# KiCad board GNSS GPS L86-M33 breakout with easyC_panel.kicad_pcb (continued)
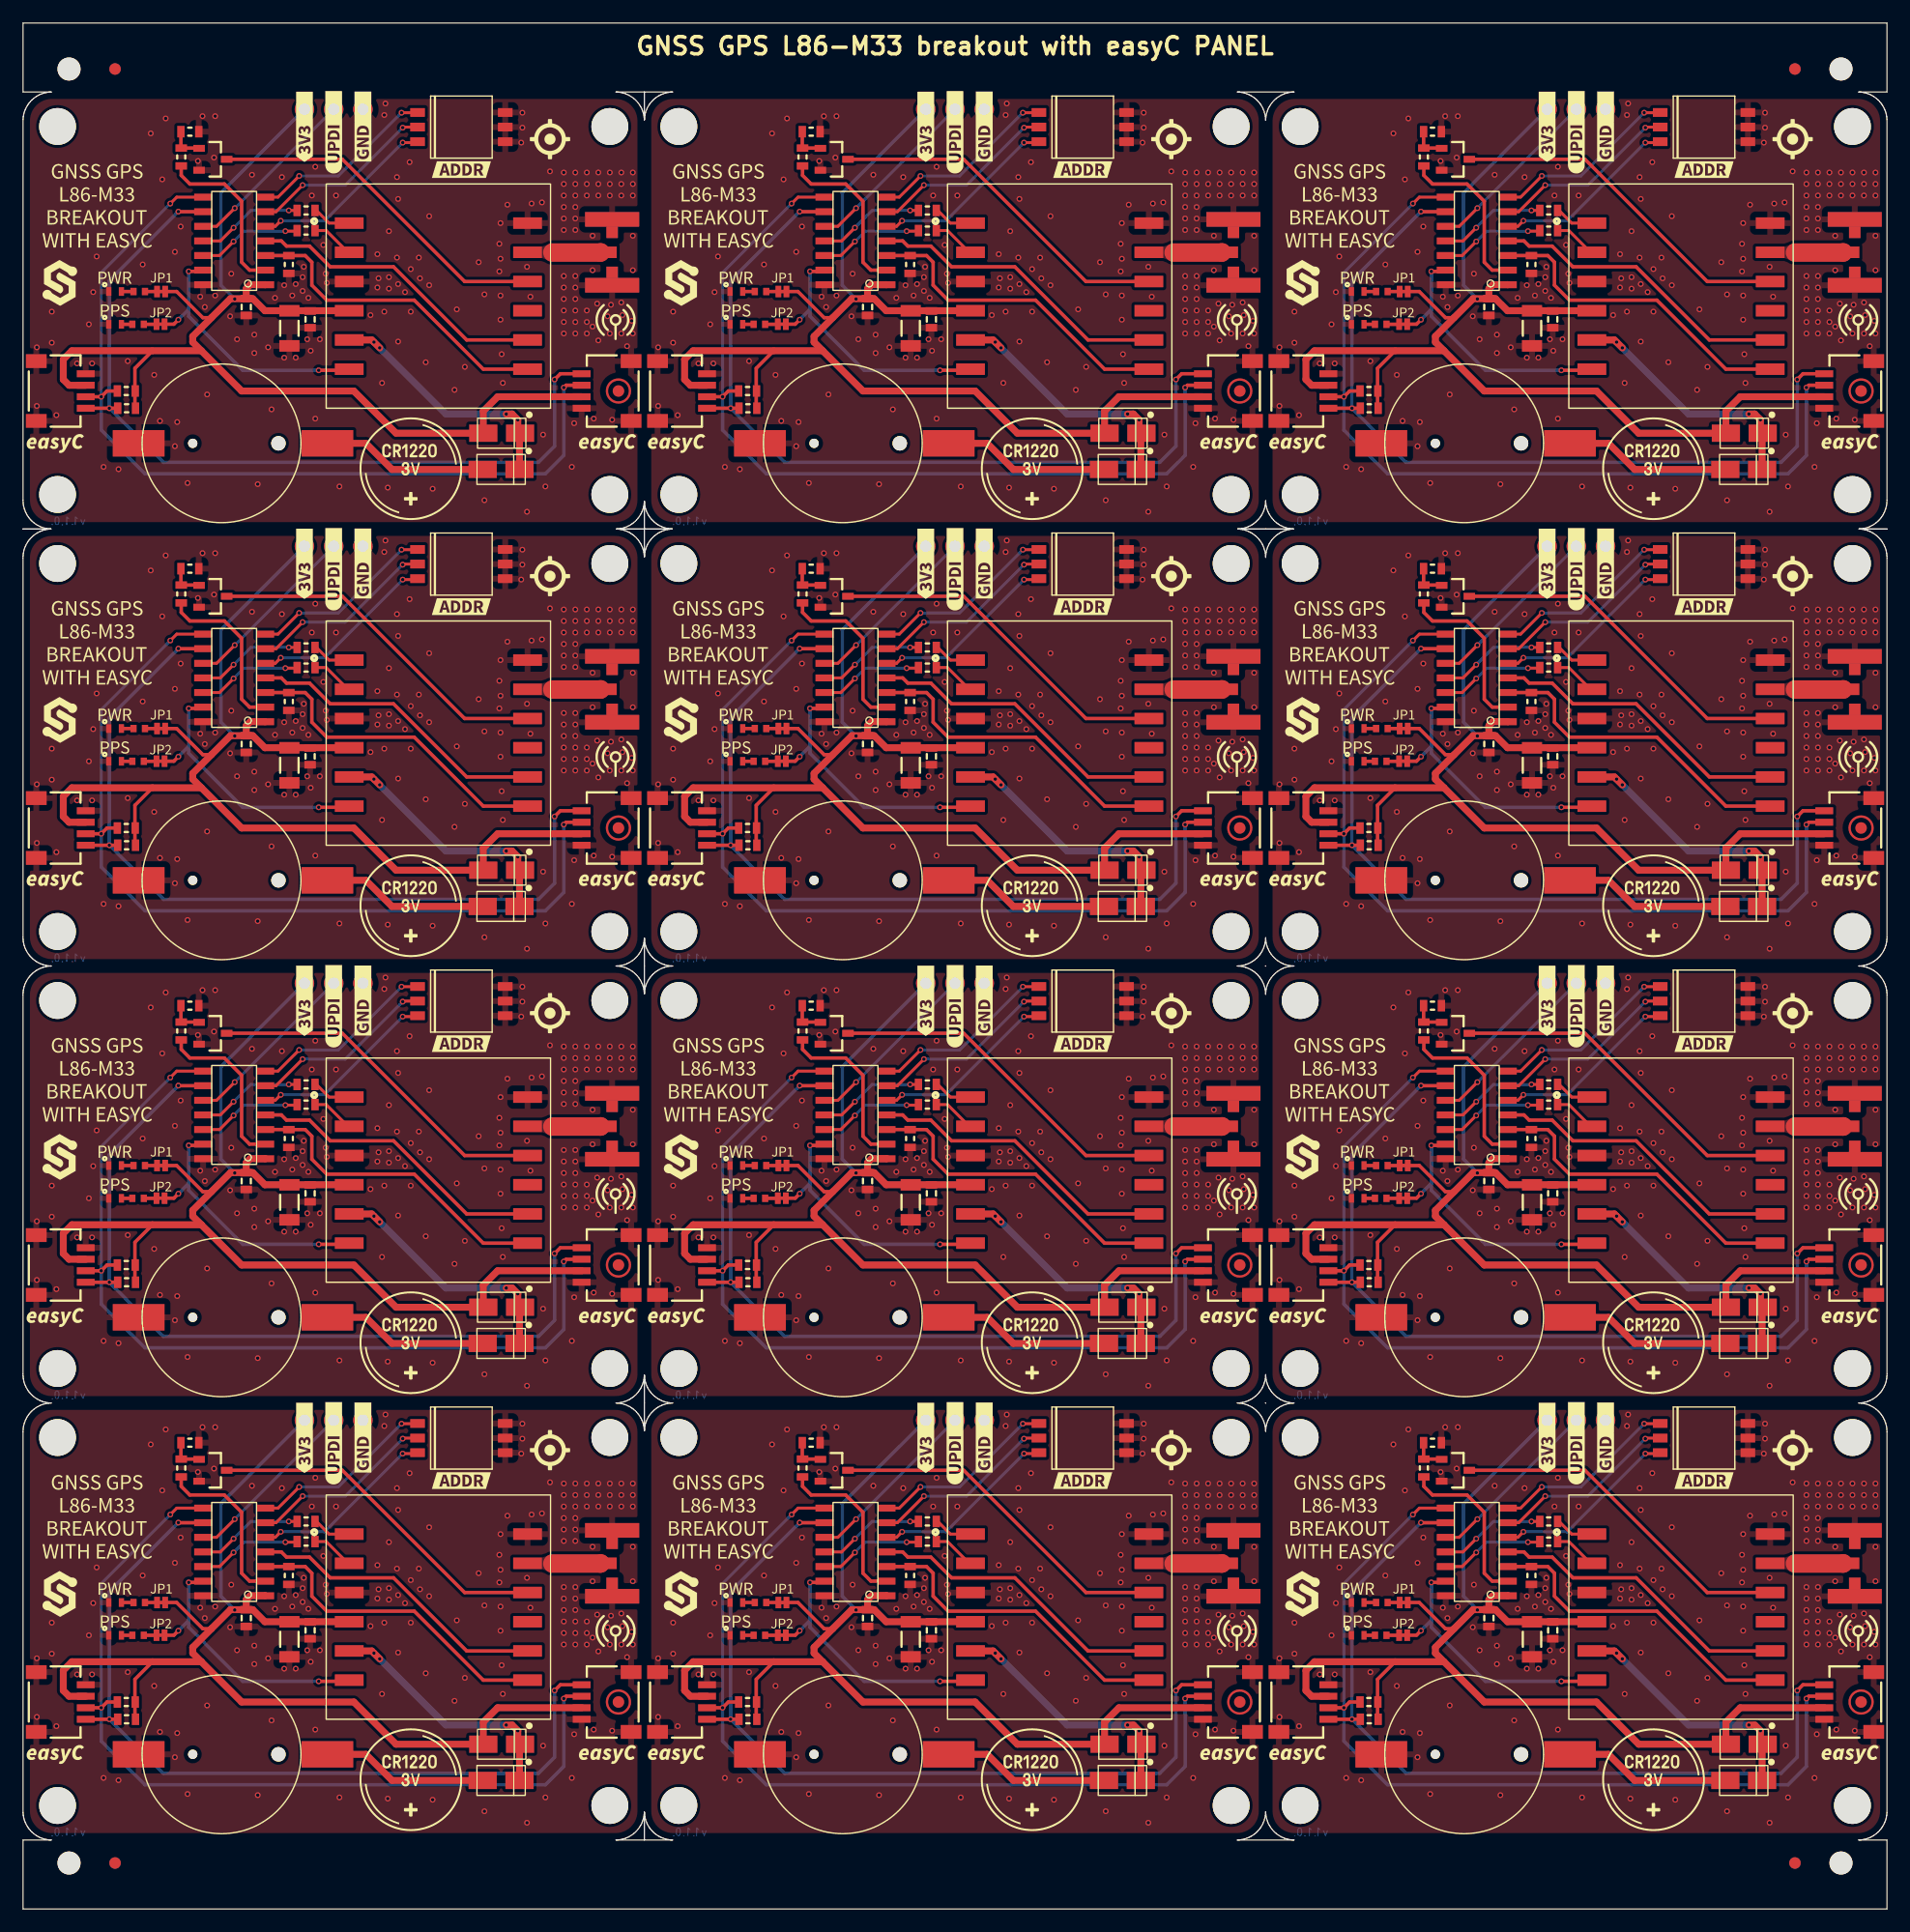
[diagram p0: board, top side]
## Nets (continued)
Board_11-Net-(D3-Pad1): D3#5.1 R9#11.2
Board_11-Net-(D4-Pad1): D4#6.1 R10#2.2
Board_11-Net-(JP2-Pad2): JP2.2 R9#11.1
Board_11-Net-(JP4-Pad2): JP4#8.2 R10#2.1
Board_11-Net-(Q1-Pad1): Q1#2.1 R2#11.2 R6#7.1
Board_11-Net-(Q1-Pad3): Q1#2.3 U2#4.10
Board_11-Net-(R1-Pad1): R1#6.1 U2#4.2
Board_11-Net-(R3-Pad1): R3#4.1 U2#4.1
Board_11-PPS: JP4#8.1 U2#4.6 U5#7.13
Board_11-RESET: R2#11.1 U5#7.2
Board_11-RXD1: R1#6.2 U5#7.12
Board_11-SCL: K5#3.1 K7#7.1 R7#6.1 U5#7.9
Board_11-SDA: K5#3.2 K7#7.2 R4#9.1 U5#7.8
Board_11-TXD1: R3#4.2 U5#7.11
Board_11-unconnected-(U2-Pad9): U2#4.9
Board_11-UPDI: K6#8.2 U5#7.10
Board_11-V_BCKP: D1#5.2 D2#7.2 U2#4.5

Pads without a net: FD1 1; FD1#2 1; FD1#3 1; FD1#4 1; FD1#5 1; FD1#6 1; FD1#7 1; FD1#8 1; FD1#9 1; FD1#10 1; FD1#11 1; FD1#12 1

## Via types
v1: diameter 0.5, hole 0.3, Top to Bottom, 2436 vias

## Routing (per net, layer and track width the routed paths; a pad name or vN(x,y) marks a point on that pad's centre or on a via; arc(x,y) is an arc through that point)
Board_0-3V3: length 104.9
  Top w0.3: JP2#9.1 13.35,140.65 15.63,138.38 16.38,138.38 ; 9.75,130.53 9.73,130.55 9.73,133.98 11.25,135.5
  Top w0.6: 15.5,135.5 4.25,135.5 3.5,134.75 3.5,133 4,132.5 K7#3.3 ; 15.5,135.5 19,132 28.75,132 32.42,128.33 D1#6.1 40,130.25 41.25,131.5 K5#9.3 ; 15.5,135.5 14.75,136.25 14.75,136.75 18.03,140.03 C5#12.1 ; C5#12.1 19.4,140.9 19.75,141.25 21.04,141.25 U5#3.1 ; C5#12.1 19.97,140.03 21.02,138.98 U2#9.4
  Bottom w0.3: K6#2.1 17.2,149.24 17.2,141.2 v1(18.4,140)
Board_0-ADD1: length 16.3
  Top w0.254: v1(32.9,156.2) 34.27,156.2 K8#11.1 ; v1(24,150.7) 22.16,148.86 U5#3.7
  Bottom w0.254: v1(32.9,156.2) 27.4,150.7 v1(24,150.7)
Board_0-ADD2: length 16.3
  Top w0.254: K8#11.3 33.05,154.95 v1(33,154.9) ; U5#3.6 21.99,147.59 v1(24.3,149.9)
  Bottom w0.254: v1(24.3,149.9) 28,149.9 v1(33,154.9)
Board_0-ADD3: length 16.3
  Top w0.254: U5#3.5 21.92,146.32 v1(22.4,146.8) ; K8#11.5 34.21,153.6 v1(33,153.6)
  Bottom w0.254: v1(22.4,146.8) 26.2,146.8 v1(33,153.6)
Board_0-ANT: length 4.2
  Top w1.6: 46,144.04 50.18,144.04 K1#11.1
Board_0-ANT_DET: length 26.4
  Top w0.3: U5#3.4 22.45,145.05 22.9,144.6 24.9,144.6 26.7,142.8 32.2,142.8 38.56,136.44 U2#9.8
Board_0-FORCE_ON: length 28.1
  Top w0.3: U5#3.3 23.1,143.78 R5#3.1 24.53,143.78 25.1,143.2 25.1,141.2 26.4,139.9 34,139.9 40,133.9 U2#9.7
Board_0-GND:
  vias: v1(1.2,135.8) v1(1.2,130.7) v1(2.5,138.9) v1(2.5,136.2) v1(2.9,129.9) v1(4.7,134.4) v1(5.73,137.8) v1(6,134.4) v1(6.1,140.6) v1(6.4,143.7) v1(7,125.4) v1(8.3,125.2) v1(9.1,134.6) v1(10.4,143) v1(11.1,154.4) v1(11.4,133.4) v1(11.9,129.4) v1(12.1,150.4) v1(12.4,155.7) v1(13.2,144.1) v1(13.2,127.2) v1(13.4,129.3) v1(13.7,146.3) v1(14.3,124) v1(15.2,152) v1(15.4,140.2) v1(15.6,155.9) v1(15.8,139.3) v1(16,131.7) v1(16.6,152.3) v1(16.7,155.9) v1(16.7,140.3) v1(18,138.5) v1(18.1,142.2) v1(18.6,136.5) v1(19.9,150.8) v1(20.1,136.9) v1(20.1,135.3) v1(20.4,123.9) v1(21.3,135.8) v1(21.6,130.4) v1(21.9,140.1) v1(22.5,150.6) v1(22.7,141.2) v1(22.7,134.9) v1(23.4,140.3) v1(23.7,141.3) v1(23.7,134.9) v1(24.3,141.9) v1(24.3,140.7) v1(24.4,142.8) v1(24.7,136.5) v1(24.8,140.1) v1(25,135.5) v1(25.1,149) v1(25.4,151.5) v1(25.4,129.6) v1(25.8,136.5) v1(26.1,144.7) v1(26.3,142.2) v1(26.4,141.4) v1(27.2,149) v1(27.5,123.7) v1(30.2,138.6) v1(30.8,143.9) v1(30.8,141) v1(30.9,141.8) v1(31.2,132.7) v1(31.4,156) v1(31.4,138.9) v1(31.5,157) v1(31.7,123.6) v1(31.8,145.9) v1(31.8,141.9) v1(31.8,140.9) v1(32.5,150.6) v1(32.5,143.6) v1(32.6,148.7) v1(32.6,141.3) v1(32.6,136.3) v1(33.2,140.6) v1(33.6,151.9) v1(33.7,142.6) v1(33.7,138.9) v1(34.4,143.6) v1(34.5,141.8) v1(35,134.5) v1(35.3,147.2) v1(35.3,141.2) v1(35.6,123.5) v1(37.5,132.1) v1(37.7,139.1) v1(38.4,134.1) v1(39.6,143.2) v1(40.1,140.4) v1(40.1,122.5) v1(41.4,144.8) v1(41.4,142.4) v1(41.5,146.6) v1(41.5,143.5) v1(41.5,140.3) v1(41.5,138.2) v1(41.6,135.2) v1(41.7,132.7) v1(42.1,148.2) v1(43.3,153.6) v1(43.4,156.2) v1(43.4,154.9) v1(43.8,142.8) v1(43.8,121.5) v1(44.1,140.2) v1(44.2,148.3) v1(45.1,148.4) v1(45.2,128.2) v1(45.4,123.7) v1(45.8,151.1) v1(47,151) v1(47,150) v1(47,149) v1(47,148) v1(47,147) v1(47,146) v1(47,142) v1(47,141) v1(47,140) v1(47,139) v1(47,138) v1(47,137) v1(47.7,125.4) v1(47.9,129.2) v1(48,151) v1(48,150) v1(48,149) v1(48,148) v1(48,147) v1(48,146) v1(48,142) v1(48,141) v1(48,140) v1(48,139) v1(48,138) v1(48,137) v1(49,151) v1(49,150) v1(49,149) v1(49,139) v1(49,138) v1(49,137) v1(49.5,145.5) v1(49.5,142.5) v1(49.5,137.6) v1(49.6,129.6) v1(49.9,139.6) v1(50,151) v1(50,150) v1(50,149) v1(50,136.4) v1(50.8,138.5) v1(51,151) v1(51,150) v1(51,149) v1(51,137) v1(51.1,139.5) v1(51.2,129.5) v1(52,151) v1(52,150) v1(52,149) v1(52,139.7) v1(52,137) v1(52.1,138.6) v1(52.5,135.9) v1(52.9,138.1) v1(53,151) v1(53,150) v1(53,149) v1(53,145.5) v1(53,142.5) v1(53,137)
Board_0-Net-(D2-Pad1): length 14.4
  Top w0.6: K3#6.1+ 29.8,127.45 32.07,125.18 D2#4.1
Board_0-Net-(D3-Pad1): length 1.1
  Top w0.3: D3#4.1 R9#7.2
Board_0-Net-(D4-Pad1): length 0.9
  Top w0.3: D4.1 R10#9.2
Board_0-Net-(JP2-Pad2): length 1
  Top w0.3: R9#7.1 JP2#9.2
Board_0-Net-(JP4-Pad2): length 1.1
  Top w0.3: JP4#3.2 11.59,137.8 R10#9.1
Board_0-Net-(Q1-Pad1): length 3
  Top w0.3: R6#9.1 13.73,153.15 R2#5.2 15.28,153.13 Q1#12.1
Board_0-Net-(Q1-Pad3): length 30.6
  Top w0.3: U2#9.10 38.38,141.52 27.75,152.15 Q1#12.3
Board_0-Net-(R1-Pad1): length 3.8
  Top w0.254: R1#2.1 26.35,145.95 28.24,144.06 U2#9.2
Board_0-Net-(R3-Pad1): length 3.4
  Top w0.254: U2#9.1 26.6,146.6 25.5,147.7 R3.1
Board_0-PPS: length 23.8
  Top w0.3: U5#3.13 15.54,142.4 v1(14.4,142.4) ; JP4#3.1 13.11,137.81 v1(13.5,138.2) ; v1(25.7,133.8) 28.25,133.8 U2#9.6
  Bottom w0.3: 14.4,139.1 v1(14.4,142.4) ; 14.4,139.1 v1(13.5,138.2) ; 14.4,139.1 14.4,138.5 19.1,133.8 v1(25.7,133.8)
Board_0-RESET: length 14.6
  Top w0.3: R2#5.1 13.75,150.75 14.5,150 17.5,150 19,148.5 19,143.2 19.69,142.51 U5#3.2
Board_0-RXD1: length 9.1
  Top w0.254: v1(22.8,145.9) 23.78,145.9 R1#2.2 ; U5#3.12 17.08,143.78 v1(18.3,145)
  Bottom w0.254: v1(22.8,145.9) 19.2,145.9 v1(18.3,145)
Board_0-SCL: length 74.1
  Top w0.3: v1(13.5,147.6) 13.51,147.59 U5#3.9 ; K5#9.1 46.7,133.5 v1(46.2,133) ; R7#11.1 v1(7.5,130.5) K7#3.1
  Bottom w0.3: v1(13.5,147.6) 7.5,141.6 v1(7.5,130.5) 12.2,125.8 44.8,125.8 46.2,127.2 v1(46.2,133)
Board_0-SDA: length 78.2
  Top w0.254: U5#3.8 13.36,148.86 v1(12.8,148.3)
  Top w0.3: v1(47,132.3) 47.2,132.5 K5#9.2 ; K7#3.2 v1(6.8,131.5) 7.3,132 R4#2.1
  Bottom w0.254: v1(12.8,148.3) 6.8,142.3 v1(6.8,131.5)
  Bottom w0.3: v1(47,132.3) 47,126.4 45.4,124.8 10.6,124.8 6.8,128.6 v1(6.8,131.5)
Board_0-TXD1: length 9.3
  Top w0.254: R3.2 v1(23.1,147.7) ; v1(18.3,146.2) 17.15,145.05 U5#3.11
  Bottom w0.254: v1(23.1,147.7) 19.8,147.7 v1(18.3,146.2)
Board_0-UPDI: length 15.6
  Top w0.254: U5#3.10 16.82,146.32 v1(18.4,147.9)
  Bottom w0.254: v1(18.4,147.9) K6#2.2
Board_0-V_BCKP: length 23.9
  Top w0.6: v1(42,130) 42.5,130 v1(43,129.5) 43,128.53 D1#6.2 43.15,128.28 D2#4.2 ; U2#9.5 30.31,136.44 v1(30.5,136.25) v1(31,135.75)
  Bottom w0.6: v1(43,129.5) 42.5,130 v1(42,130) 36.75,130 v1(31,135.75) v1(30.5,136.25)
Board_1-3V3: length 104.9
  Top w0.3: 65.25,135.5 63.73,133.98 63.73,130.55 63.75,130.53 ; JP2#7.1 67.35,140.65 69.63,138.38 70.38,138.38
  Top w0.6: C5#7.1 73.97,140.03 75.02,138.98 U2#10.4 ; C5#7.1 73.4,140.9 73.75,141.25 75.04,141.25 U5#10.1 ; C5#7.1 72.03,140.03 68.75,136.75 68.75,136.25 69.5,135.5 ; 69.5,135.5 58.25,135.5 57.5,134.75 57.5,133 58,132.5 K7#8.3 ; 69.5,135.5 73,132 82.75,132 86.42,128.33 D1#10.1 94,130.25 95.25,131.5 K5#12.3
  Bottom w0.3: v1(72.4,140) 71.2,141.2 71.2,149.24 K6#9.1
Board_1-ADD1: length 16.3
  Top w0.254: v1(86.9,156.2) 88.27,156.2 K8#4.1 ; v1(78,150.7) 76.16,148.86 U5#10.7
  Bottom w0.254: v1(86.9,156.2) 81.4,150.7 v1(78,150.7)
Board_1-ADD2: length 16.3
  Top w0.254: K8#4.3 87.05,154.95 v1(87,154.9) ; v1(78.3,149.9) 75.99,147.59 U5#10.6
  Bottom w0.254: v1(87,154.9) 82,149.9 v1(78.3,149.9)
Board_1-ADD3: length 16.3
  Top w0.254: v1(87,153.6) 88.21,153.6 K8#4.5 ; U5#10.5 75.92,146.32 v1(76.4,146.8)
  Bottom w0.254: v1(87,153.6) 80.2,146.8 v1(76.4,146.8)
Board_1-ANT: length 4.2
  Top w1.6: K1#8.1 104.18,144.04 100,144.04
Board_1-ANT_DET: length 26.4
  Top w0.3: U5#10.4 76.45,145.05 76.9,144.6 78.9,144.6 80.7,142.8 86.2,142.8 92.56,136.44 U2#10.8
Board_1-FORCE_ON: length 28.1
  Top w0.3: U5#10.3 77.1,143.78 R5#5.1 78.53,143.78 79.1,143.2 79.1,141.2 80.4,139.9 88,139.9 94,133.9 U2#10.7
Board_1-GND:
  vias: v1(55.2,135.8) v1(55.2,130.7) v1(56.5,138.9) v1(56.5,136.2) v1(56.9,129.9) v1(58.7,134.4) v1(59.73,137.8) v1(60,134.4) v1(60.1,140.6) v1(60.4,143.7) v1(61,125.4) v1(62.3,125.2) v1(63.1,134.6) v1(64.4,143) v1(65.1,154.4) v1(65.4,133.4) v1(65.9,129.4) v1(66.1,150.4) v1(66.4,155.7) v1(67.2,144.1) v1(67.2,127.2) v1(67.4,129.3) v1(67.7,146.3) v1(68.3,124) v1(69.2,152) v1(69.4,140.2) v1(69.6,155.9) v1(69.8,139.3) v1(70,131.7) v1(70.6,152.3) v1(70.7,155.9) v1(70.7,140.3) v1(72,138.5) v1(72.1,142.2) v1(72.6,136.5) v1(73.9,150.8) v1(74.1,136.9) v1(74.1,135.3) v1(74.4,123.9) v1(75.3,135.8) v1(75.6,130.4) v1(75.9,140.1) v1(76.5,150.6) v1(76.7,141.2) v1(76.7,134.9) v1(77.4,140.3) v1(77.7,141.3) v1(77.7,134.9) v1(78.3,141.9) v1(78.3,140.7) v1(78.4,142.8) v1(78.7,136.5) v1(78.8,140.1) v1(79,135.5) v1(79.1,149) v1(79.4,151.5) v1(79.4,129.6) v1(79.8,136.5) v1(80.1,144.7) v1(80.3,142.2) v1(80.4,141.4) v1(81.2,149) v1(81.5,123.7) v1(84.2,138.6) v1(84.8,143.9) v1(84.8,141) v1(84.9,141.8) v1(85.2,132.7) v1(85.4,156) v1(85.4,138.9) v1(85.5,157) v1(85.7,123.6) v1(85.8,145.9) v1(85.8,141.9) v1(85.8,140.9) v1(86.5,150.6) v1(86.5,143.6) v1(86.6,148.7) v1(86.6,141.3) v1(86.6,136.3) v1(87.2,140.6) v1(87.6,151.9) v1(87.7,142.6) v1(87.7,138.9) v1(88.4,143.6) v1(88.5,141.8) v1(89,134.5) v1(89.3,147.2) v1(89.3,141.2) v1(89.6,123.5) v1(91.5,132.1) v1(91.7,139.1) v1(92.4,134.1) v1(93.6,143.2) v1(94.1,140.4) v1(94.1,122.5) v1(95.4,144.8) v1(95.4,142.4) v1(95.5,146.6) v1(95.5,143.5) v1(95.5,140.3) v1(95.5,138.2) v1(95.6,135.2) v1(95.7,132.7) v1(96.1,148.2) v1(97.3,153.6) v1(97.4,156.2) v1(97.4,154.9) v1(97.8,142.8) v1(97.8,121.5) v1(98.1,140.2) v1(98.2,148.3) v1(99.1,148.4) v1(99.2,128.2) v1(99.4,123.7) v1(99.8,151.1) v1(101,151) v1(101,150) v1(101,149) v1(101,148) v1(101,147) v1(101,146) v1(101,142) v1(101,141) v1(101,140) v1(101,139) v1(101,138) v1(101,137) v1(101.7,125.4) v1(101.9,129.2) v1(102,151) v1(102,150) v1(102,149) v1(102,148) v1(102,147) v1(102,146) v1(102,142) v1(102,141) v1(102,140) v1(102,139) v1(102,138) v1(102,137) v1(103,151) v1(103,150) v1(103,149) v1(103,139) v1(103,138) v1(103,137) v1(103.5,145.5) v1(103.5,142.5) v1(103.5,137.6) v1(103.6,129.6) v1(103.9,139.6) v1(104,151) v1(104,150) v1(104,149) v1(104,136.4) v1(104.8,138.5) v1(105,151) v1(105,150) v1(105,149) v1(105,137) v1(105.1,139.5) v1(105.2,129.5) v1(106,151) v1(106,150) v1(106,149) v1(106,139.7) v1(106,137) v1(106.1,138.6) v1(106.5,135.9) v1(106.9,138.1) v1(107,151) v1(107,150) v1(107,149) v1(107,145.5) v1(107,142.5) v1(107,137)
Board_1-Net-(D2-Pad1): length 14.4
  Top w0.6: K3#12.1+ 83.8,127.45 86.07,125.18 D2#10.1
Board_1-Net-(D3-Pad1): length 1
  Top w0.3: D3#8.1 R9#9.2
Board_1-Net-(D4-Pad1): length 1
  Top w0.3: D4#4.1 R10#4.2
Board_1-Net-(JP2-Pad2): length 1
  Top w0.3: R9#9.1 JP2#7.2
Board_1-Net-(JP4-Pad2): length 1.1
  Top w0.3: R10#4.1 65.59,137.8 JP4#11.2
Board_1-Net-(Q1-Pad1): length 3
  Top w0.3: R6#2.1 67.73,153.15 R2#2.2 69.28,153.13 Q1.1
Board_1-Net-(Q1-Pad3): length 30.6
  Top w0.3: Q1.3 81.75,152.15 92.38,141.52 U2#10.10
Board_1-Net-(R1-Pad1): length 3.8
  Top w0.254: R1#10.1 80.35,145.95 82.24,144.06 U2#10.2
Board_1-Net-(R3-Pad1): length 3.4
  Top w0.254: U2#10.1 80.6,146.6 79.5,147.7 R3#10.1
Board_1-PPS: length 23.8
  Top w0.3: v1(67.5,138.2) 67.11,137.81 JP4#11.1 ; v1(79.7,133.8) 82.25,133.8 U2#10.6 ; v1(68.4,142.4) 69.54,142.4 U5#10.13
  Bottom w0.3: 68.4,139.1 68.4,138.5 73.1,133.8 v1(79.7,133.8) ; 68.4,139.1 v1(68.4,142.4) ; 68.4,139.1 v1(67.5,138.2)
Board_1-RESET: length 14.6
  Top w0.3: R2#2.1 67.75,150.75 68.5,150 71.5,150 73,148.5 73,143.2 73.69,142.51 U5#10.2
Board_1-RXD1: length 9.1
  Top w0.254: v1(72.3,145) 71.08,143.78 U5#10.12 ; v1(76.8,145.9) 77.78,145.9 R1#10.2
  Bottom w0.254: v1(72.3,145) 73.2,145.9 v1(76.8,145.9)
Board_1-SCL: length 74.1
  Top w0.3: K5#12.1 100.7,133.5 v1(100.2,133) ; R7#8.1 v1(61.5,130.5) K7#8.1 ; U5#10.9 67.51,147.59 v1(67.5,147.6)
  Bottom w0.3: v1(100.2,133) 100.2,127.2 98.8,125.8 66.2,125.8 v1(61.5,130.5) 61.5,141.6 v1(67.5,147.6)
Board_1-SDA: length 78.2
  Top w0.254: U5#10.8 67.36,148.86 v1(66.8,148.3)
  Top w0.3: v1(101,132.3) 101.2,132.5 K5#12.2 ; K7#8.2 v1(60.8,131.5) 61.3,132 R4#3.1
  Bottom w0.254: v1(60.8,131.5) 60.8,142.3 v1(66.8,148.3)
  Bottom w0.3: v1(60.8,131.5) 60.8,128.6 64.6,124.8 99.4,124.8 101,126.4 v1(101,132.3)
Board_1-TXD1: length 9.3
  Top w0.254: R3#10.2 v1(77.1,147.7) ; U5#10.11 71.15,145.05 v1(72.3,146.2)
  Bottom w0.254: v1(72.3,146.2) 73.8,147.7 v1(77.1,147.7)
Board_1-UPDI: length 15.6
  Top w0.254: v1(72.4,147.9) 70.82,146.32 U5#10.10
  Bottom w0.254: v1(72.4,147.9) K6#9.2
Board_1-V_BCKP: length 23.9
  Top w0.6: v1(85,135.75) v1(84.5,136.25) 84.31,136.44 U2#10.5 ; v1(96,130) 96.5,130 v1(97,129.5) 97,128.53 D1#10.2 97.15,128.28 D2#10.2
  Bottom w0.6: v1(97,129.5) 96.5,130 v1(96,130) 90.75,130 v1(85,135.75) v1(84.5,136.25)
Board_2-3V3: length 104.9
  Top w0.3: 124.38,138.38 123.63,138.38 121.35,140.65 JP2#8.1 ; 117.75,130.53 117.73,130.55 117.73,133.98 119.25,135.5
  Top w0.6: 123.5,135.5 122.75,136.25 122.75,136.75 126.03,140.03 C5#4.1 ; 123.5,135.5 127,132 136.75,132 140.42,128.33 D1.1 148,130.25 149.25,131.5 K5.3 ; 123.5,135.5 112.25,135.5 111.5,134.75 111.5,133 112,132.5 K7.3 ; U2#3.4 129.02,138.98 127.97,140.03 C5#4.1 ; C5#4.1 127.4,140.9 127.75,141.25 129.04,141.25 U5#6.1
  Bottom w0.3: v1(126.4,140) 125.2,141.2 125.2,149.24 K6#4.1
Board_2-ADD1: length 16.3
  Top w0.254: U5#6.7 130.16,148.86 v1(132,150.7) ; K8#3.1 142.27,156.2 v1(140.9,156.2)
  Bottom w0.254: v1(132,150.7) 135.4,150.7 v1(140.9,156.2)
Board_2-ADD2: length 16.3
  Top w0.254: v1(132.3,149.9) 129.99,147.59 U5#6.6 ; v1(141,154.9) 141.05,154.95 K8#3.3
  Bottom w0.254: v1(141,154.9) 136,149.9 v1(132.3,149.9)
Board_2-ADD3: length 16.3
  Top w0.254: v1(130.4,146.8) 129.92,146.32 U5#6.5 ; K8#3.5 142.21,153.6 v1(141,153.6)
  Bottom w0.254: v1(141,153.6) 134.2,146.8 v1(130.4,146.8)
Board_2-ANT: length 4.2
  Top w1.6: K1#12.1 158.18,144.04 154,144.04
Board_2-ANT_DET: length 26.4
  Top w0.3: U2#3.8 146.56,136.44 140.2,142.8 134.7,142.8 132.9,144.6 130.9,144.6 130.45,145.05 U5#6.4
Board_2-FORCE_ON: length 28.1
  Top w0.3: U2#3.7 148,133.9 142,139.9 134.4,139.9 133.1,141.2 133.1,143.2 132.53,143.78 R5#6.1 131.1,143.78 U5#6.3
Board_2-GND:
  vias: v1(109.2,135.8) v1(109.2,130.7) v1(110.5,138.9) v1(110.5,136.2) v1(110.9,129.9) v1(112.7,134.4) v1(113.73,137.8) v1(114,134.4) v1(114.1,140.6) v1(114.4,143.7) v1(115,125.4) v1(116.3,125.2) v1(117.1,134.6) v1(118.4,143) v1(119.1,154.4) v1(119.4,133.4) v1(119.9,129.4) v1(120.1,150.4) v1(120.4,155.7) v1(121.2,144.1) v1(121.2,127.2) v1(121.4,129.3) v1(121.7,146.3) v1(122.3,124) v1(123.2,152) v1(123.4,140.2) v1(123.6,155.9) v1(123.8,139.3) v1(124,131.7) v1(124.6,152.3) v1(124.7,155.9) v1(124.7,140.3) v1(126,138.5) v1(126.1,142.2) v1(126.6,136.5) v1(127.9,150.8) v1(128.1,136.9) v1(128.1,135.3) v1(128.4,123.9) v1(129.3,135.8) v1(129.6,130.4) v1(129.9,140.1) v1(130.5,150.6) v1(130.7,141.2) v1(130.7,134.9) v1(131.4,140.3) v1(131.7,141.3) v1(131.7,134.9) v1(132.3,141.9) v1(132.3,140.7) v1(132.4,142.8) v1(132.7,136.5) v1(132.8,140.1) v1(133,135.5) v1(133.1,149) v1(133.4,151.5) v1(133.4,129.6) v1(133.8,136.5) v1(134.1,144.7) v1(134.3,142.2) v1(134.4,141.4) v1(135.2,149) v1(135.5,123.7) v1(138.2,138.6) v1(138.8,143.9) v1(138.8,141) v1(138.9,141.8) v1(139.2,132.7) v1(139.4,156) v1(139.4,138.9) v1(139.5,157) v1(139.7,123.6) v1(139.8,145.9) v1(139.8,141.9) v1(139.8,140.9) v1(140.5,150.6) v1(140.5,143.6) v1(140.6,148.7) v1(140.6,141.3) v1(140.6,136.3) v1(141.2,140.6) v1(141.6,151.9) v1(141.7,142.6) v1(141.7,138.9) v1(142.4,143.6) v1(142.5,141.8) v1(143,134.5) v1(143.3,147.2) v1(143.3,141.2) v1(143.6,123.5) v1(145.5,132.1) v1(145.7,139.1) v1(146.4,134.1) v1(147.6,143.2) v1(148.1,140.4) v1(148.1,122.5) v1(149.4,144.8) v1(149.4,142.4) v1(149.5,146.6) v1(149.5,143.5) v1(149.5,140.3) v1(149.5,138.2) v1(149.6,135.2) v1(149.7,132.7) v1(150.1,148.2) v1(151.3,153.6) v1(151.4,156.2) v1(151.4,154.9) v1(151.8,142.8) v1(151.8,121.5) v1(152.1,140.2) v1(152.2,148.3) v1(153.1,148.4) v1(153.2,128.2) v1(153.4,123.7) v1(153.8,151.1) v1(155,151) v1(155,150) v1(155,149) v1(155,148) v1(155,147) v1(155,146) v1(155,142) v1(155,141) v1(155,140) v1(155,139) v1(155,138) v1(155,137) v1(155.7,125.4) v1(155.9,129.2) v1(156,151) v1(156,150) v1(156,149) v1(156,148) v1(156,147) v1(156,146) v1(156,142) v1(156,141) v1(156,140) v1(156,139) v1(156,138) v1(156,137) v1(157,151) v1(157,150) v1(157,149) v1(157,139) v1(157,138) v1(157,137) v1(157.5,145.5) v1(157.5,142.5) v1(157.5,137.6) v1(157.6,129.6) v1(157.9,139.6) v1(158,151) v1(158,150) v1(158,149) v1(158,136.4) v1(158.8,138.5) v1(159,151) v1(159,150) v1(159,149) v1(159,137) v1(159.1,139.5) v1(159.2,129.5) v1(160,151) v1(160,150) v1(160,149) v1(160,139.7) v1(160,137) v1(160.1,138.6) v1(160.5,135.9) v1(160.9,138.1) v1(161,151) v1(161,150) v1(161,149) v1(161,145.5) v1(161,142.5) v1(161,137)
Board_2-Net-(D2-Pad1): length 14.4
  Top w0.6: D2#9.1 140.07,125.18 137.8,127.45 K3#4.1+
Board_2-Net-(D3-Pad1): length 1
  Top w0.3: D3#12.1 R9#8.2
Board_2-Net-(D4-Pad1): length 0.9
  Top w0.3: D4#12.1 R10.2
Board_2-Net-(JP2-Pad2): length 1.1
  Top w0.3: R9#8.1 JP2#8.2
Board_2-Net-(JP4-Pad2): length 1.1
  Top w0.3: R10.1 119.59,137.8 JP4.2
Board_2-Net-(Q1-Pad1): length 3
  Top w0.3: Q1#10.1 123.28,153.13 R2#7.2 121.73,153.15 R6#11.1
Board_2-Net-(Q1-Pad3): length 30.6
  Top w0.3: Q1#10.3 135.75,152.15 146.38,141.52 U2#3.10
Board_2-Net-(R1-Pad1): length 3.8
  Top w0.254: R1#8.1 134.35,145.95 136.24,144.06 U2#3.2
Board_2-Net-(R3-Pad1): length 3.4
  Top w0.254: U2#3.1 134.6,146.6 133.5,147.7 R3#2.1
Board_2-PPS: length 23.8
  Top w0.3: U2#3.6 136.25,133.8 v1(133.7,133.8) ; v1(121.5,138.2) 121.11,137.81 JP4.1 ; v1(122.4,142.4) 123.54,142.4 U5#6.13
  Bottom w0.3: 122.4,139.1 122.4,138.5 127.1,133.8 v1(133.7,133.8) ; 122.4,139.1 v1(121.5,138.2) ; 122.4,139.1 v1(122.4,142.4)
Board_2-RESET: length 14.6
  Top w0.3: R2#7.1 121.75,150.75 122.5,150 125.5,150 127,148.5 127,143.2 127.69,142.51 U5#6.2
Board_2-RXD1: length 9.1
  Top w0.254: v1(126.3,145) 125.08,143.78 U5#6.12 ; R1#8.2 131.78,145.9 v1(130.8,145.9)
  Bottom w0.254: v1(126.3,145) 127.2,145.9 v1(130.8,145.9)
Board_2-SCL: length 74.1
  Top w0.3: K7.1 v1(115.5,130.5) R7#3.1 ; v1(154.2,133) 154.7,133.5 K5.1 ; v1(121.5,147.6) 121.51,147.59 U5#6.9
  Bottom w0.3: v1(121.5,147.6) 115.5,141.6 v1(115.5,130.5) 120.2,125.8 152.8,125.8 154.2,127.2 v1(154.2,133)
Board_2-SDA: length 78.2
  Top w0.254: U5#6.8 121.36,148.86 v1(120.8,148.3)
  Top w0.3: K5.2 155.2,132.5 v1(155,132.3) ; R4#4.1 115.3,132 v1(114.8,131.5) K7.2
  Bottom w0.254: v1(120.8,148.3) 114.8,142.3 v1(114.8,131.5)
  Bottom w0.3: v1(114.8,131.5) 114.8,128.6 118.6,124.8 153.4,124.8 155,126.4 v1(155,132.3)
Board_2-TXD1: length 9.3
  Top w0.254: U5#6.11 125.15,145.05 v1(126.3,146.2) ; R3#2.2 v1(131.1,147.7)
  Bottom w0.254: v1(126.3,146.2) 127.8,147.7 v1(131.1,147.7)
Board_2-UPDI: length 15.6
  Top w0.254: U5#6.10 124.82,146.32 v1(126.4,147.9)
  Bottom w0.254: v1(126.4,147.9) K6#4.2
Board_2-V_BCKP: length 23.9
  Top w0.6: v1(150,130) 150.5,130 v1(151,129.5) 151,128.53 D1.2 151.15,128.28 D2#9.2 ; v1(139,135.75) v1(138.5,136.25) 138.31,136.44 U2#3.5
  Bottom w0.6: v1(151,129.5) 150.5,130 v1(150,130) 144.75,130 v1(139,135.75) v1(138.5,136.25)
Board_3-3V3: length 104.9
  Top w0.3: 16.38,100.38 15.63,100.38 13.35,102.65 JP2#11.1 ; 9.75,92.53 9.73,92.55 9.73,95.98 11.25,97.5
  Top w0.6: U2#2.4 21.02,100.98 19.97,102.03 C5#10.1 ; C5#10.1 19.4,102.9 19.75,103.25 21.04,103.25 U5#4.1 ; C5#10.1 18.03,102.03 14.75,98.75 14.75,98.25 15.5,97.5 ; 15.5,97.5 4.25,97.5 3.5,96.75 3.5,95 4,94.5 K7#9.3 ; 15.5,97.5 19,94 28.75,94 32.42,90.33 D1#4.1 40,92.25 41.25,93.5 K5#2.3
  Bottom w0.3: v1(18.4,102) 17.2,103.2 17.2,111.24 K6#3.1
Board_3-ADD1: length 16.3
  Top w0.254: K8#7.1 34.27,118.2 v1(32.9,118.2) ; U5#4.7 22.16,110.86 v1(24,112.7)
  Bottom w0.254: v1(32.9,118.2) 27.4,112.7 v1(24,112.7)
Board_3-ADD2: length 16.3
  Top w0.254: v1(33,116.9) 33.05,116.95 K8#7.3 ; U5#4.6 21.99,109.59 v1(24.3,111.9)
  Bottom w0.254: v1(24.3,111.9) 28,111.9 v1(33,116.9)
Board_3-ADD3: length 16.3
  Top w0.254: K8#7.5 34.21,115.6 v1(33,115.6) ; U5#4.5 21.92,108.32 v1(22.4,108.8)
  Bottom w0.254: v1(33,115.6) 26.2,108.8 v1(22.4,108.8)
Board_3-ANT: length 4.2
  Top w1.6: 46,106.04 50.18,106.04 K1#5.1
Board_3-ANT_DET: length 26.4
  Top w0.3: U2#2.8 38.56,98.44 32.2,104.8 26.7,104.8 24.9,106.6 22.9,106.6 22.45,107.05 U5#4.4
Board_3-FORCE_ON: length 28.1
  Top w0.3: U5#4.3 23.1,105.78 R5#12.1 24.53,105.78 25.1,105.2 25.1,103.2 26.4,101.9 34,101.9 40,95.9 U2#2.7
Board_3-GND:
  vias: v1(1.2,97.8) v1(1.2,92.7) v1(2.5,100.9) v1(2.5,98.2) v1(2.9,91.9) v1(4.7,96.4) v1(5.73,99.8) v1(6,96.4) v1(6.1,102.6) v1(6.4,105.7) v1(7,87.4) v1(8.3,87.2) v1(9.1,96.6) v1(10.4,105) v1(11.1,116.4) v1(11.4,95.4) v1(11.9,91.4) v1(12.1,112.4) v1(12.4,117.7) v1(13.2,106.1) v1(13.2,89.2) v1(13.4,91.3) v1(13.7,108.3) v1(14.3,86) v1(15.2,114) v1(15.4,102.2) v1(15.6,117.9) v1(15.8,101.3) v1(16,93.7) v1(16.6,114.3) v1(16.7,117.9) v1(16.7,102.3) v1(18,100.5) v1(18.1,104.2) v1(18.6,98.5) v1(19.9,112.8) v1(20.1,98.9) v1(20.1,97.3) v1(20.4,85.9) v1(21.3,97.8) v1(21.6,92.4) v1(21.9,102.1) v1(22.5,112.6) v1(22.7,103.2) v1(22.7,96.9) v1(23.4,102.3) v1(23.7,103.3) v1(23.7,96.9) v1(24.3,103.9) v1(24.3,102.7) v1(24.4,104.8) v1(24.7,98.5) v1(24.8,102.1) v1(25,97.5) v1(25.1,111) v1(25.4,113.5) v1(25.4,91.6) v1(25.8,98.5) v1(26.1,106.7) v1(26.3,104.2) v1(26.4,103.4) v1(27.2,111) v1(27.5,85.7) v1(30.2,100.6) v1(30.8,105.9) v1(30.8,103) v1(30.9,103.8) v1(31.2,94.7) v1(31.4,118) v1(31.4,100.9) v1(31.5,119) v1(31.7,85.6) v1(31.8,107.9) v1(31.8,103.9) v1(31.8,102.9) v1(32.5,112.6) v1(32.5,105.6) v1(32.6,110.7) v1(32.6,103.3) v1(32.6,98.3) v1(33.2,102.6) v1(33.6,113.9) v1(33.7,104.6) v1(33.7,100.9) v1(34.4,105.6) v1(34.5,103.8) v1(35,96.5) v1(35.3,109.2) v1(35.3,103.2) v1(35.6,85.5) v1(37.5,94.1) v1(37.7,101.1) v1(38.4,96.1) v1(39.6,105.2) v1(40.1,102.4) v1(40.1,84.5) v1(41.4,106.8) v1(41.4,104.4) v1(41.5,108.6) v1(41.5,105.5) v1(41.5,102.3) v1(41.5,100.2) v1(41.6,97.2) v1(41.7,94.7) v1(42.1,110.2) v1(43.3,115.6) v1(43.4,118.2) v1(43.4,116.9) v1(43.8,104.8) v1(43.8,83.5) v1(44.1,102.2) v1(44.2,110.3) v1(45.1,110.4) v1(45.2,90.2) v1(45.4,85.7) v1(45.8,113.1) v1(47,113) v1(47,112) v1(47,111) v1(47,110) v1(47,109) v1(47,108) v1(47,104) v1(47,103) v1(47,102) v1(47,101) v1(47,100) v1(47,99) v1(47.7,87.4) v1(47.9,91.2) v1(48,113) v1(48,112) v1(48,111) v1(48,110) v1(48,109) v1(48,108) v1(48,104) v1(48,103) v1(48,102) v1(48,101) v1(48,100) v1(48,99) v1(49,113) v1(49,112) v1(49,111) v1(49,101) v1(49,100) v1(49,99) v1(49.5,107.5) v1(49.5,104.5) v1(49.5,99.6) v1(49.6,91.6) v1(49.9,101.6) v1(50,113) v1(50,112) v1(50,111) v1(50,98.4) v1(50.8,100.5) v1(51,113) v1(51,112) v1(51,111) v1(51,99) v1(51.1,101.5) v1(51.2,91.5) v1(52,113) v1(52,112) v1(52,111) v1(52,101.7) v1(52,99) v1(52.1,100.6) v1(52.5,97.9) v1(52.9,100.1) v1(53,113) v1(53,112) v1(53,111) v1(53,107.5) v1(53,104.5) v1(53,99)
Board_3-Net-(D2-Pad1): length 14.4
  Top w0.6: K3#11.1+ 29.8,89.45 32.07,87.18 D2.1
Board_3-Net-(D3-Pad1): length 1.1
  Top w0.3: D3#11.1 R9#5.2
Board_3-Net-(D4-Pad1): length 0.9
  Top w0.3: D4#11.1 R10#12.2
Board_3-Net-(JP2-Pad2): length 1
  Top w0.3: R9#5.1 JP2#11.2
Board_3-Net-(JP4-Pad2): length 1.1
  Top w0.3: R10#12.1 11.59,99.8 JP4#9.2
Board_3-Net-(Q1-Pad1): length 3
  Top w0.3: R6#10.1 13.73,115.15 R2.2 15.28,115.13 Q1#6.1
Board_3-Net-(Q1-Pad3): length 30.6
  Top w0.3: U2#2.10 38.38,103.52 27.75,114.15 Q1#6.3
Board_3-Net-(R1-Pad1): length 3.8
  Top w0.254: R1.1 26.35,107.95 28.24,106.06 U2#2.2
Board_3-Net-(R3-Pad1): length 3.4
  Top w0.254: R3#5.1 25.5,109.7 26.6,108.6 U2#2.1
Board_3-PPS: length 23.8
  Top w0.3: JP4#9.1 13.11,99.81 v1(13.5,100.2) ; U2#2.6 28.25,95.8 v1(25.7,95.8) ; U5#4.13 15.54,104.4 v1(14.4,104.4)
  Bottom w0.3: 14.4,101.1 v1(14.4,104.4) ; 14.4,101.1 v1(13.5,100.2) ; 14.4,101.1 14.4,100.5 19.1,95.8 v1(25.7,95.8)
Board_3-RESET: length 14.6
  Top w0.3: R2.1 13.75,112.75 14.5,112 17.5,112 19,110.5 19,105.2 19.69,104.51 U5#4.2
Board_3-RXD1: length 9.1
  Top w0.254: v1(22.8,107.9) 23.78,107.9 R1.2 ; v1(18.3,107) 17.08,105.78 U5#4.12
  Bottom w0.254: v1(22.8,107.9) 19.2,107.9 v1(18.3,107)
Board_3-SCL: length 74.1
  Top w0.3: K5#2.1 46.7,95.5 v1(46.2,95) ; R7#7.1 v1(7.5,92.5) K7#9.1 ; U5#4.9 13.51,109.59 v1(13.5,109.6)
  Bottom w0.3: v1(46.2,95) 46.2,89.2 44.8,87.8 12.2,87.8 v1(7.5,92.5) 7.5,103.6 v1(13.5,109.6)
Board_3-SDA: length 78.2
  Top w0.254: v1(12.8,110.3) 13.36,110.86 U5#4.8
  Top w0.3: R4#10.1 7.3,94 v1(6.8,93.5) K7#9.2 ; K5#2.2 47.2,94.5 v1(47,94.3)